# Altium PCB CRD25DA12N-FMC V1.2 (01-2024).PcbDoc (part 3 of 6) (continued)
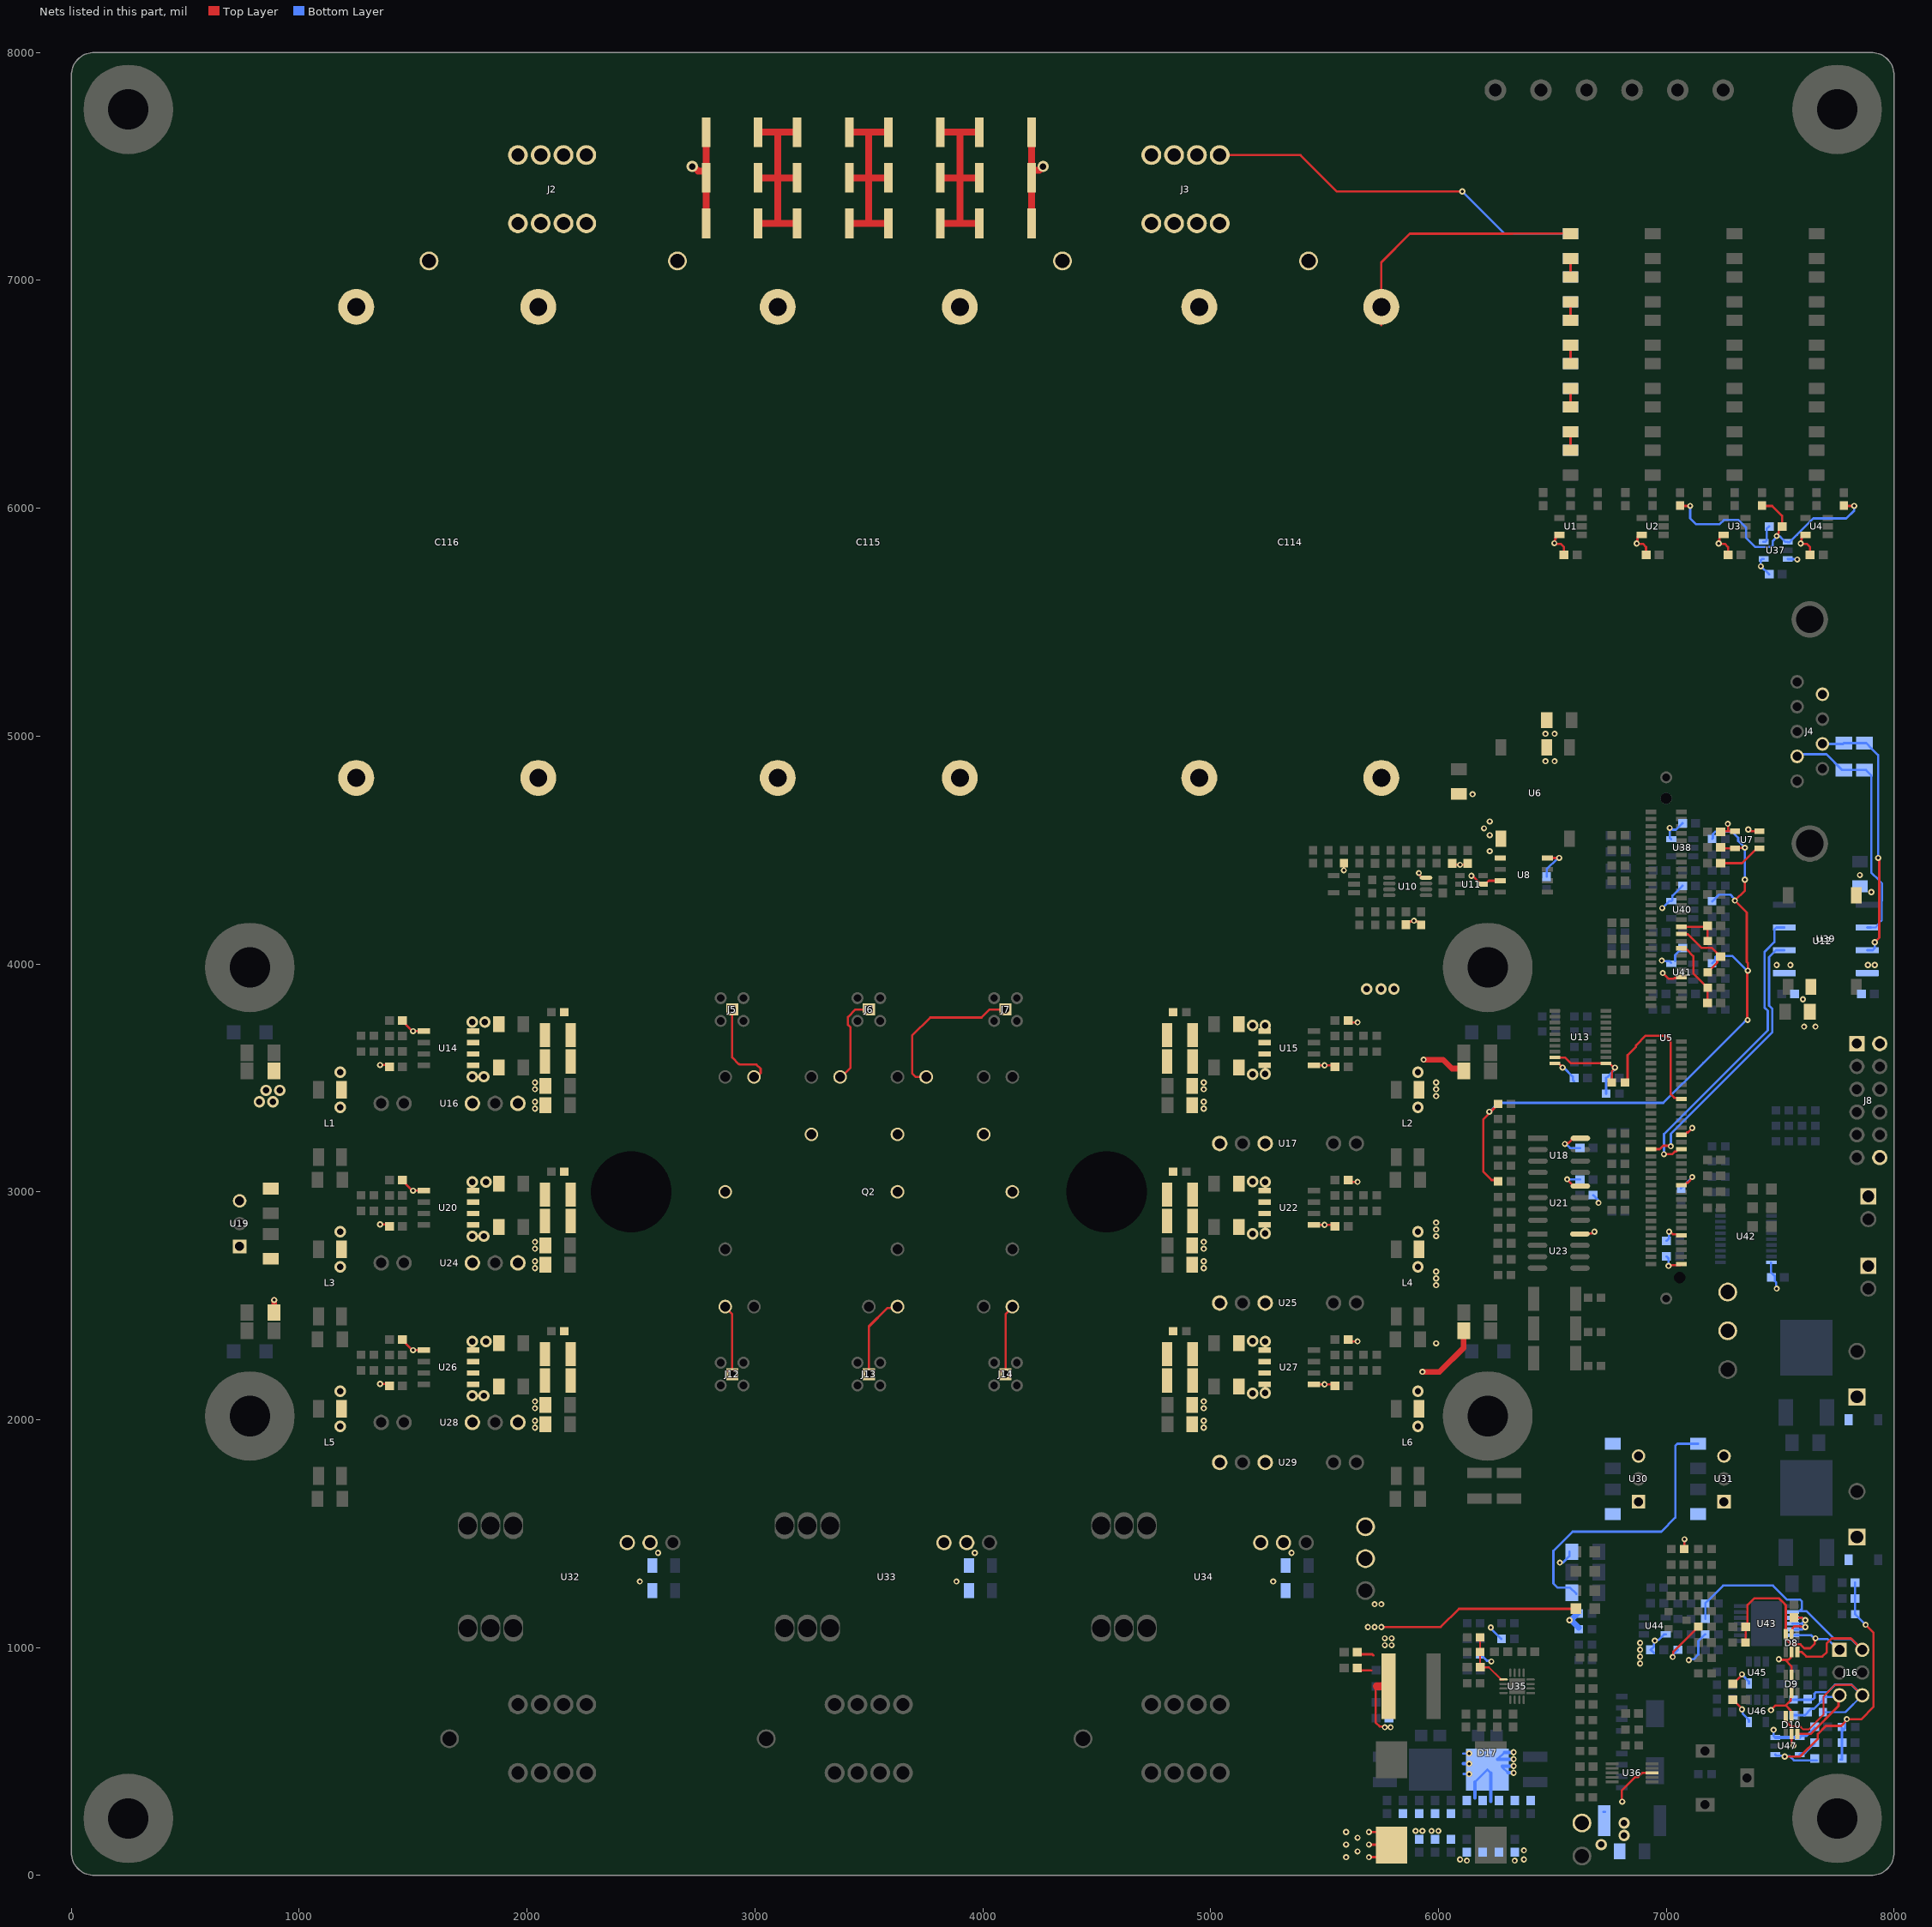
[diagram p7: the nets of this part, all layers, seen from the top]
## Part data (continued)
U13 U42: library part CMP-0440-01163-3, "IC BUF NON-INVERT 5.5V 20TSSOP", F @ Nom Voltage(Max)(Mhz)=110, Generic Part Number=SN74LV541AT, ICC @ Nom Voltage(Max)(mA)=0.02, Manufacturer="TEXAS INSTRUMENTS", Operating Temperature Range(C)="-40 to 125", Package=20-TSSOP, Rating=Catalog, tpd @ Nom Voltage(Max)(ns)=7.9, Voltage(Nom)(V)=5, Bits(#)=8, Code_JEDEC=MO-153, DatasheetVersion=SCES573B, Input Type=TTL, Manufacturer Part Number=SN74LV541ATPWR, Output Type=CMOS, PackageReference=PW0020A, PackageVersion=http://www.ti.com/lit/ml/mpds362/mpds362.pdf, VCC(Max)(V)=5.5, VCC(Min)(V)=4.5
U14 U15 U20 U22 U26 U27: "5A/5A, 3-KVRMS SINGLE-CHANNEL IS", Manufacturer="TEXAS INSTRUMENTS", Max Operating Temperature=125°C, Mfr_Name="Texas Instruments", Min Operating Temperature=-40°C, Package=8-SOIC, Supplier Part Number 1=296-47508-ND, Working Voltage=990V, Category="Integrated Circuits (ICs)", Class=U, ComponentLink1Description=http://www.ti.com/lit/ds/symlink/ucc5350sb.pdf?src-supplier=Farnell, ComponentLink1URL=http://www.ti.com/lit/ds/symlink/ucc5350sb.pdf?src-supplier=Farnell, ComponentLink2Description=http://www.ti.com/lit/ds/symlink/ucc5350.pdf?src-supplier=Digi-Key, ComponentLink2URL=http://www.ti.com/lit/ds/symlink/ucc5350.pdf?src-supplier=Digi-Key, Copyright="Copyright (C) 2021 Ultra Librarian. All rights reserved.", Digi-Key_Part_Number_1=296-47508-ND, Manufacturer Part Number=UCC5350SBD, Manufacturer Print="TEXAS INSTRUMENTS", Manufacturer_Part_Number=UCC5350SBD, Number of Channels=1, Pricing 1="1=3.15000, 10=2.83100, 25=2.67600, 100=2.31920, 250=2.20024, 500=1.97428, 1000=1.68300 (USD)", RefDes=RefDes, RoHS=Yes, RoHS Compliant=Yes, Stock 1=1, Supplier 1=Digi-Key, Type=DEV
U16 U17 U24 U25 U28 U29: "DC DC CONVERTER 15V -3V 1.7W", Manufacturer=MURATA, Package=7-SIP, Supplier Part Number 1=580-MGJ2D121503SC, Category="Board Mount Modules", Manufacturer Part Number=MGJ2D121503SC, Manufacturer Print=MURATA, Pricing 1="1=8.68000, 10=8.68000, 50=8.67000, 100=8.33000, 1000=8.00000, 10000=8.00000 (USD)", RoHS=Yes, Stock 1=14, Supplier 1=Mouser
U18 U21 U23: library part CMP-04896-000023-1, "IC COMPARATOR R-R HI-SPD 8-SOIC", Ambient Temperature Range High=+125°C, Ambient Temperature Range Low=-40°C, Input Bias Current=0.000002uA, Input Offset Voltage=1mV, Manufacturer="TEXAS INSTRUMENTS", Max Junction Temp=+150°C, Max Supply Voltage=5.5V, Min Supply Voltage=2.2V, Nominal Supply Current=3.2mA, Package=8-SOIC, Temperature="-40°C to +125°C", Automotive=No, Category=IC, ComponentLink2Description=Datasheet, ComponentLink2URL=http://www.ti.com/lit/ds/symlink/tlv3502.pdf, Device Class L1="Integrated Circuits (ICs)", Device Class L2="Linear ICs", Device Class L3=Comparators, Digikey Description="IC COMPARATOR R-R HI-SPD 8-SOIC", Height=1.75mm, Lead Free=Yes, Manufacturer Part Number=TLV3502AID, Manufacturer Print="TEXAS INSTRUMENTS", Mouser Description="TLV3502AID Texas Instruments, Dual Comparator, Push-Pull O/P, 3 V, 5 V 8-Pin SOIC", Number of Channels=2, Octopart=https://octopart.com/tlv3502aid-texas+instruments-428400, RoHS=TRUE, Standoff Height=0.11mm, Temperature Range High=+125°C, Temperature Range Low=-40°C
U19 U31: "DC DC CONVERTER 5V 5W", Case/Package=SIP, Current - Output 1=1A, Manufacturer=RECOM, Max Input Voltage=28V, Max Operating Temperature=85°C, Max Output Voltage=5V, Max Power Dissipation=5W, Min Input Voltage=8V, Min Operating Temperature=-40°C, Package=3-SIP, Package Quantity=42, Supplier Part Number 1=1446013, Category="Voltage Regulators - Switching", ComponentLink1Description=http://www.farnell.com/datasheets/2787646.pdf?src-supplier=Farnell, ComponentLink1URL=http://www.farnell.com/datasheets/2787646.pdf?src-supplier=Farnell, ComponentLink2Description=http://www.mouser.com/ds/2/468/R-78Exx-1.0-958279.pdf?src-supplier=Mouser, ComponentLink2URL=http://www.mouser.com/ds/2/468/R-78Exx-1.0-958279.pdf?src-supplier=Mouser, ComponentLink3Description=https://www.recom-power.com/pdf/Innoline/R-78Exx-1.0.pdf?src-supplier=Digi-Key, ComponentLink3URL=https://www.recom-power.com/pdf/Innoline/R-78Exx-1.0.pdf?src-supplier=Digi-Key, ComponentLink4Description=http://www.farnell.com/datasheets/1848475.pdf?src-supplier=Newark, ComponentLink4URL=http://www.farnell.com/datasheets/1848475.pdf?src-supplier=Newark, ComponentLink5Description=http://www.farnell.com/datasheets/2787646.pdf?src-supplier=Element14, ComponentLink5URL=http://www.farnell.com/datasheets/2787646.pdf?src-supplier=Element14, ComponentLink6Description=http://datasheet.octopart.com/R-78E5.0-1.0-Recom-Power-datasheet-68298118.pdf?src-supplier=Rs, ComponentLink6URL=http://datasheet.octopart.com/R-78E5.0-1.0-Recom-Power-datasheet-68298118.pdf?src-supplier=Rs, Efficiency=91%, Features=SCP, Height=10.4mm, Lead Free="Lead Free", Length=11.6mm, Manufacturer Part Number=R-78E5.0-1.0, Manufacturer Print=RECOM, Max Output Current=1A, Mount="Through Hole", Number Of Outputs=1, Output Power=5W, Packaging=Rail/Tube, RoHS=Yes, RoHS Compliant=Yes, Stock 1=661, Supplier 1=Rs, Voltage - Output 1=5V, Weight=2g, Width=8.5mm
U30: "DC DC CONVERTER 3.3V 3W", Case/Package=SIP, Manufacturer=RECOM, Max Input Voltage=28V, Max Operating Temperature=85°C, Max Output Current=1A, Max Output Power=3.3W, Max Output Voltage=3.3V, Max Power Dissipation=3W, Min Input Voltage=8V, Min Input Voltage (DC)=7V, Min Operating Temperature=-40°C, Package=3-SIP, Supplier Part Number 1=9176626, Category="Board Mount Modules", ComponentLink1Description=http://www.farnell.com/datasheets/2787646.pdf?src-supplier=Farnell, ComponentLink1URL=http://www.farnell.com/datasheets/2787646.pdf?src-supplier=Farnell, ComponentLink2Description=https://www.recom-power.com/pdf/Innoline/R-78Exx-1.0.pdf?src-supplier=Digi-Key, ComponentLink2URL=https://www.recom-power.com/pdf/Innoline/R-78Exx-1.0.pdf?src-supplier=Digi-Key, ComponentLink3Description=http://www.farnell.com/datasheets/1965125.pdf?src-supplier=Element14, ComponentLink3URL=http://www.farnell.com/datasheets/1965125.pdf?src-supplier=Element14, ComponentLink4Description=http://www.farnell.com/datasheets/2787646.pdf?src-supplier=Newark, ComponentLink4URL=http://www.farnell.com/datasheets/2787646.pdf?src-supplier=Newark, Efficiency=91%, Features=SCP, Height=10.4mm, Lead Free="Lead Free", Length=11.6mm, Manufacturer Part Number=R-78E3.3-1.0, Manufacturer Print=RECOM, Max Input Voltage (DC)=28V, Mount="Through Hole", Nominal Output Voltage=3.3V, Number Of Outputs=1, Packaging=Rail/Tube, Pricing 1="1=3.93700, 5=3.82200, 10=3.69700, 25=3.58300, 50=3.46900 (USD)", Reach SVHC Compliant=Yes, RoHS=Yes, RoHS Compliant=Yes, Series="INNOLINE R-78E", Stock 1=1, Supplier 1=Rs, Voltage - Output 1=3.3V, Weight=2g, Width=8.5mm
U32 U33 U34: "SENSOR CURRENT HALL 50A AC/DC", Case/Package=Module, Current Rating=50A, Frequency=200kHz, Manufacturer=LEM, Max Operating Temperature=85°C, Max Supply Current=35mA, Min Operating Temperature=-25°C, Operating Supply Voltage=15V, Package=N/A, Package Quantity=12, Secondary Current=25mA, Supplier Part Number 1=44W8442, Accuracy=0.25%, Category="Current Sensors", ComponentLink1Description=https://datasheet.ciiva.com/2812/lah2050-p20e-2812498.pdf?src-supplier=Digi-Key, ComponentLink1URL=https://datasheet.ciiva.com/2812/lah2050-p20e-2812498.pdf?src-supplier=Digi-Key, ComponentLink2Description=https://datasheet.ciiva.com/3327/lah50p-eng-tds-3327447.pdf?src-supplier=Distrelec, ComponentLink2URL=https://datasheet.ciiva.com/3327/lah50p-eng-tds-3327447.pdf?src-supplier=Distrelec, Current Sensing=50A, Height=21mm, Lead Free="Lead Free", Linearity=0.15%, Manufacturer Part Number="LAH 50-P", Manufacturer Print=LEM, Mount="Through Hole,PCB", Number of Channels=1, Overall Depth=14.93mm, Overall Height=21mm, Packaging=Bulk, Polarity=Bidirectional, Pricing 1="1=22.98000, 10=21.60000, 25=20.67000 (USD)", Reach SVHC Compliant=Yes, Response Time=0.5us, RoHS=Yes, RoHS Compliant=Yes, Series=LAH, Stock 1=776, Supplier 1=Newark, Width=33.3mm
U35: "IC REG MULT CONFG ADJ 6.5A 16QFN", Case/Package=16-WFQFN, Manufacturer="TEXAS INSTRUMENTS", Supplier Part Number 1=595-LM5157QRTERQ1, Category="Voltage Regulators - Switching", Manufacturer Part Number=LM5157QRTERQ1, Package=16-WFQFN, Pricing 1="1=4.45, 10=3.79, 50=3.79, 100=3.28, 250=3.11, 500=2.79, 1000=2.36, 3000=2.29, 10000=2.29 (USD)", RoHS=No, RoHS Compliant=Yes, Stock 1=10233, Supplier 1=Mouser
U36: "IC SURGE SUPPRESSION ADJ 10MSOP", Manufacturer="ANALOG DEVICES", Package=10-MSOP, Supplier Part Number 1=505-LTC4368IMS-2#PBF-ND, Category="Power Management ICs", ComponentLink1Description=http://www.linear.com/docs/57622?src-supplier=Digi-Key, ComponentLink1URL=http://www.linear.com/docs/57622?src-supplier=Digi-Key, Manufacturer Part Number=LTC4368IMS-2#PBF, Manufacturer Print="ANALOG DEVICES", Pricing 1="1=6.69000, 10=6.03900, 25=5.75840, 100=5.00000, 250=4.77528, 500=4.35396, 1000=3.97500 (USD)", RoHS=Yes, Supplier 1=Digi-Key
U39: "IC TXRX/ISO HALF 1/1 8SOP", Drivers Per Package=1, Manufacturer="TEXAS INSTRUMENTS", Package=8-SOP, Rating=Catalog, ComponentLink1Description=Datasheet, ComponentLink1URL=http://www.ti.com/general/docs/lit/getliterature.tsp?genericPartNumber=ISO1050&fileType=pdf, ComponentLink2Description="Package Specification", ComponentLink2URL=http://www.ti.com/litv/pdf/mpds247b, DatasheetVersion=SLLS983E, Eco-Plan="Green (RoHS & no Sb/Br)", Isolated=Yes, Manufacturer Part Number=ISO1050DUBR, Manufacturer Print="TEXAS INSTRUMENTS", Mounting Technology="Surface Mount", PackageDescription="8-Pin Small Outline Package 2.54 mm Pitch", PackageReference=DUB0008A, PackageVersion="revC, May-2006", PartNumber=ISO1050DUBR, SubFamily=CAN, Supplier 1="Arrow Electronics", Supplier Part Number 1=ISO1050DUBR
U43: library part CMP-04895-000282-1, "IC POWER 2 CIRCUIT 14HTSSOP", Manufacturer="TEXAS INSTRUMENTS", Package=14-PowerTSSOP, Manufacturer Part Number=ALM2402FQPWPRQ1

## Via types
v1: diameter 27, hole 13, Top Layer to Bottom Layer, tented both sides, 537 vias
v2: diameter 50, hole 28, Top Layer to Bottom Layer, tented both sides, 76 vias
v3: diameter 19.68, hole 7.87, Top Layer to Bottom Layer, tented top, 15 vias
v4: diameter 19.68, hole 7.87, Top Layer to Bottom Layer, tented both sides, 5 vias

## Nets (pads, with @x,y where several pads share a name; then routed paths per layer and width w, separated by ;. In a path a pad name is that pad's centre, name@x,y a point inside that pad or via, vN(x,y) a via of type N, cw(c..) or ccw(c..) an arc to the next point about the centre after c; other vN are vias at no path point)
+1.65V_I: C17.1 U7.1 | length 196.7
  Top Layer w10: C17.1@7238.58,4442 7332.71,4442 7398.31,4507.6 U7.1@7408.15,4507.6
+1.65V_R: C165.1 C169.1 C185.1 C187.1 C188.1 R222.1 R243.1 U47.1 | length 1476.3
  Top Layer w10: v1(7520,521.49) 7586.8,521.49 7665,599.69 7665,620.31 7700.64,655.94 7767.72,655.94 7775.01,663.23 7775.01,663.81 7792.41,681.2 v1(7792.41,685.8) 7793.21,685 7820.91,685 7855,685 7910,740 7910,1065 v1(7875,1100)
  Bottom Layer w10: U47.1@7478.7,530.2 7484.15,524.74 7516.75,524.74 v1(7520,521.49) 7521.6,523.09 7541.91,523.09 7560,505 C188.1@7660.37,505 ; C187.1@7765.47,508 7771.42,508 C187.1@7771.42,513 7771.42,577.05 7770.47,578 7771.42,578 C185.1@7771.42,583 7771.42,634 ; R243.1@7771.38,647 7771.42,646.96 7771.42,634 ; v1(7792.41,685.8) 7792.41,681.2 7785.24,674.03 7785.24,646.96 7772.28,634 7771.42,634 ; C165.1@7828.58,1285 C169.1@7828.58,1215 C169.1@7828.58,1215 R222.1@7828.62,1146 7829.53,1146 7875,1100.53 v1(7875,1100)
+1.65V_V: C5.1 R40.2 R42.2 R44.2 U37.1 | length 1288.1
  Top Layer w10: R40.2@7060,6011.38 7061.38,6010 v1(7105,6010) ; R42.2@7420,6011.38 7421.38,6010 7465,6010 7508.58,5966.42 C5.1@7508.58,5920 7507.63,5920 7493.76,5906.14 7493.76,5891.72 7484.64,5882.6 v1(7484.64,5878) ; R44.2@7780,6011.38 7781.38,6010 v1(7825,6010)
  Bottom Layer w10: v1(7105,6010) 7105,5955 7130,5930 7234.54,5930 7253.04,5948.5 7316.81,5948.5 7350.91,5914.39 7350.91,5869.09 7390.41,5829.59 7459.9,5829.59 7467.25,5836.94 7467.25,5856.01 7484.64,5873.4 v1(7484.64,5878) 7487.9,5874.75 7500.96,5874.75 7523.31,5852.4 U37.1@7533.15,5852.4 ; U37.1@7533.15,5851.2 7541.79,5851.2 7574.09,5883.5 7645.59,5955 7790,5955 7825,5990 v1(7825,6010)
+3.3V: C6.1 C7.1 C8.1 C9.1 C10.1 C27.1 C104.1 C106.1 C123.1 C131.1 C133.1 C137.1 C139.1 C147.1 C150.1 C153.1 C159.1 C174.1 J8.1 R127.2 R215.1 R228.2 TP5.1 U1.5 U2.5 U3.5 U4.5 U6.2 U8.8 U12.2 U18.8 U21.8 U23.8 U30.3 U38.5 U39.1 U40.5 U41.5 U44.5 U45.5 U46.5 | length 2122.7
  Top Layer w10: U8.8@6478.35,4465 v1@6525,4465 ; U1.5@6531.77,5882.6 6522.91,5882.6 6514.13,5873.82 6514.13,5864.96 6511.83,5862.66 6511.83,5849.68 v1(6508.58,5846.42) 6511.14,5843.86 6537.56,5843.86 6551.42,5830 C6.1@6551.42,5795 ; v1(6555,3210) 6558.25,3213.25 6570.07,3213.25 6591.81,3235 U18.8@6623.06,3235 ; v1(6565,3055) 6565,3053.41 6593.41,3025 U21.8@6623.06,3025 U21.8@6651.78,3025 ; U23.8@6621.11,2815 6655.85,2815 6658.32,2817.47 6672.87,2817.47 6680.4,2825 v1(6685,2825) ; U2.5@6891.77,5882.6 6882.91,5882.6 6874.13,5873.82 6874.13,5864.96 6873.25,5864.08 6873.25,5848.25 v1(6870,5845) 6871.14,5843.86 6897.56,5843.86 6911.42,5830 C7.1@6911.42,5795 ; R127.2@7078.62,1432 7080,1433.38 v1(7080,1475) ; U3.5@7251.77,5882.6 7242.91,5882.6 7234.13,5873.82 7234.13,5864.96 7233.25,5864.08 7233.25,5848.25 v1(7230,5845) 7231.14,5843.86 7257.56,5843.86 7271.42,5830 C8.1@7271.42,5795 ; C106.1@7291.42,771 7292.37,771 7332.36,731.01 v1(7332.36,728.64) ; C104.1@7291.42,840 7292.37,840 7332.36,879.99 v1(7332.36,882.36) ; U4.5@7611.77,5882.6 7602.91,5882.6 7594.13,5873.82 7594.13,5864.96 7593.25,5864.08 7593.25,5848.25 v1(7590,5845) 7591.14,5843.86 7617.56,5843.86 7631.42,5830 C9.1@7631.42,5795
  Bottom Layer w10: C131.1@6475,4383.58 6475,4415 6521.75,4461.75 6522.15,4461.75 6530,4469.6 v1@6530,4470 ; v1(6533.01,1372.78) 6533.48,1373.25 6547.07,1373.25 6575,1401.18 R215.1@6575,1420 ; v1(6555,3210) 6559.31,3210 6577.31,3192 C147.1@6621.42,3192 ; v1(6565,3055) 6620.42,3055 C150.1@6621.42,3054 ; C153.1@6678.58,2985 6679.53,2985 6699.46,2965.06 6699.46,2954.61 v1(6702.72,2951.35) v1@6699.46,2948.1 ; C174.1@6931.42,990 C174.1@6932.37,990 ; C174.1@6946.24,976.14 C174.1@6932.37,990 ; v1(6950,1030) 6950,1025.4 6946.24,1021.64 6946.24,1003.86 C174.1@6932.37,990 ; 6965.02,1033.25 6989.37,1057.6 U44.5@6998.23,1057.6 ; v1(6980.22,4014.95) 6983.47,4011.7 7014.48,4011.7 U41.5@7021.77,4004.4 ; v1(6982.51,4245) 7012.91,4275.4 U40.5@7021.77,4275.4 7027.47,4281.1 7027.47,4300 7070.47,4343 C133.1@7071.42,4343 ; U38.5@7021.77,4547.4 7015.1,4554.07 v1(7015.1,4596.7) 7019.7,4596.7 7027.41,4589 7042.47,4589 7070.47,4617 C123.1@7071.42,4617 ; U41.5@7039.41,4013.18 7039.41,4038.94 7070.47,4070 C137.1@7071.42,4070 ; v1(7099.02,944.96) 7102.27,948.21 7119.21,948.21 7140.61,969.62 7140.61,1028.14 7170.47,1058 R228.2@7171.38,1058 ; v1(7332.36,728.64) 7335.62,725.38 7335.62,709.38 7362.6,682.4 U46.5@7362.6,673.54 ; v1(7332.36,882.36) 7332.36,880.87 7362.6,850.63 U45.5@7362.6,841.77
  other v1: 7605,3725 7655,3725 7600,3845 7485,3995 7545,3995 6530,4465 6470,4890 6510,4890 6470,5010 6510,5010
+3.3V_I: C13.1 R82.2 R91.2 R183.2 R187.2 R193.2 U7.5 | length 3236.5
  Top Layer w10: v1(6223.67,3350.99) 6225.46,3350.99 6270.24,3395.77 6275.24,3395.77 6227.88,3348.41 6196.5,3317.03 6196.5,3088.5 6233.38,3051.62 6255.71,3051.62 R91.2@6261.38,3045.96 ; C13.1@7238.58,4511 7241.98,4507.6 U7.5@7301.85,4507.6 7303.05,4508.8 7343.8,4508.8 v1(7345,4510) ; v1(7345,4370) 7345,4322.29 v1(7300.98,4278.27) 7353.5,4225.75 7353.5,4008.5 7357.89,4004.11 v1(7357.89,3970) ; v1@7355,3970 7355,3756.03 v1(7357.21,3753.81)
  Bottom Layer w10: v1(6223.67,3350.99) 6262.68,3390 6986.9,3390 7162.57,3565.67 7345.25,3748.35 7347.15,3748.35 7352.61,3753.81 v1(7357.21,3753.81) ; R193.2@7201.38,4003 7202.04,4003 7215,4015.96 7215,4029.14 7220.86,4035 7290,4035 7355,3970 v1(7357.89,3970) ; R187.2@7201.38,4275 7202.28,4275 7231.24,4303.96 7282.04,4303.96 7289.11,4296.88 7289.11,4294.74 7300.98,4282.87 v1(7300.98,4278.27) ; R183.2@7201.38,4548 7205,4551.62 7205,4570 7215,4580 7289.69,4580 7315.72,4553.97 7315.72,4539.28 v1(7345,4510) v1(7345,4370)
+3.3V_R: C186.1 U47.5 | length 86.2
  Bottom Layer w10: U47.5@7585,530.2 7591.81,537.01 7609.48,537.01 7650.47,578 C186.1@7651.42,578
+3.3V_V: C121.1 U37.5 | length 82
  Bottom Layer w10: U37.5@7426.85,5852.4 7434.01,5852.4 7440.82,5859.21 7440.82,5909.4 C121.1@7451.42,5920
+5V: C12.1 C29.1 C39.1 C51.1 C65.1 C76.1 C86.1 C122.1 C144.1 C151.1 C155.1 C156.1 C157.1 C158.1 C184.1 J8.2 R219.1 TP6.1 U5.48 U5.84 U5.98 U5.112 U5.120 U7.3 U7.4 U13.20 U15.1 U22.1 U27.1 U31.3 U37.3 U37.4 U42.20 U47.3 U47.4 | length 2969.6
  Top Layer w10: U27.1@5453.27,2155 5544.42,2155 C86.1@5551.42,2148 ; U22.1@5453.27,2855 5544.42,2855 C65.1@5551.42,2848 ; U15.1@5453.27,3555 5544.42,3555 C39.1@5551.42,3548 ; C76.1@5608.58,2352 5617.08,2343.5 v1(5645,2343.5) ; C51.1@5608.58,3052 5617.08,3043.5 v1(5645,3043.5) ; C29.1@5608.58,3752 5617.08,3743.5 v1(5645,3743.5) ; U13.20@6510.59,3563.82 6526.34,3563.82 6536.9,3553.25 6546.75,3553.25 v1@6550,3550 ; v1(6984.55,3959.95) 6985.18,3959.95 7009.51,3935.62 7033.12,3935.62 7035.37,3937.87 7062.09,3937.87 U5.48@7066.93,3942.72 ; v1(7010,2675) 7013.03,2678.03 7062.09,2678.03 U5.120@7066.93,2682.87 ; v1(7012.3,2825) 7016.9,2825 7028.31,2813.59 7062.19,2813.59 U5.112@7066.93,2808.86 ; U5.98@7066.93,3029.33 7080.71,3029.33 7091.36,3039.98 7095.11,3039.98 7103.03,3047.91 7103.03,3049.17 7114.05,3060.19 v1(7114.05,3064.79) ; U5.84@7066.93,3249.8 7080.71,3249.8 7091.36,3260.46 7095.11,3260.46 7114.05,3279.4 v1(7114.05,3280) ; C12.1@7238.58,4580 7240.98,4582.4 7271.41,4582.4 ; v1(7270,4615) 7271.41,4613.59 7271.41,4582.4 ; U7.4@7301.85,4582.4 7271.41,4582.4 ; v1(7360,4590) 7364.6,4590 7372.2,4582.4 U7.3@7408.15,4582.4
  Bottom Layer w10: v1(6545,3545) 6548.25,3541.75 6553.73,3541.75 6590,3505.47 6590,3490 C144.1@6595,3485 ; R219.1@6605.54,1235 6577.04,1263.5 6521.93,1263.5 6504.51,1280.93 6504.51,1424.51 6588.5,1508.5 6978.5,1508.5 7040,1570 7040,1885 7049.19,1894.19 C158.1@7140,1894.19 ; C156.1@7001.42,2716 7010,2707.42 v1(7010,2675) ; C155.1@7001.42,2785 7012.3,2795.88 v1(7012.3,2825) ; C151.1@7065,3015 7065,3015.95 7113.84,3064.79 v1(7114.05,3064.79) ; U37.4@7426.85,5777.6 7421.81,5777.6 7415,5770.79 v1(7415,5745) 7415.47,5745 7450.47,5710 C122.1@7451.42,5710 ; U42.20@7459.41,2688.82 7459.41,2647.05 7476.24,2630.22 7476.24,2608.36 7481.75,2602.85 7481.75,2578.25 v1(7485,2575) ; v1(7471.28,638.72) 7471.28,611.81 7478.09,605 U47.3@7478.7,605 ; U37.3@7533.15,5777.6 7534.45,5776.3 7573.7,5776.3 v1(7575,5775) ; U47.4@7588.19,605 U47.4@7585,605 7591.81,611.81 7615.28,611.81 7650.47,647 C184.1@7651.42,647
  Bottom Layer w15: U47.3@7478.7,605 U47.4@7585,605
  other v1: 5500,2155 5990,2335 5990,2590 5990,2620 5990,2650 5990,2805 5990,2835 5500,2855 5990,2865 5990,3420 5990,3450 5990,3480 5500,3555
+5V_ALT: C28.1 C38.1 C50.1 C54.1 C64.1 C75.1 C85.1 U14.1 U19.3 U20.1 U26.1 | length 475.4
  Top Layer w10: v1(1355,2156.5) 1382.92,2156.5 C85.1@1391.42,2148 ; v1(1355,2856.5) 1382.92,2856.5 C64.1@1391.42,2848 ; v1(1355,3556.5) 1382.92,3556.5 C38.1@1391.42,3548 ; C75.1@1448.58,2352 1449.53,2352 1495,2306.53 1495,2305 U26.1@1546.73,2305 ; C50.1@1448.58,3052 1449.53,3052 1495,3006.53 1495,3005 U20.1@1546.73,3005 ; C28.1@1448.58,3752 1449.53,3752 1495,3706.53 1495,3705 U14.1@1546.73,3705
  other v1: 1500,2305 1500,3005 1500,3705
+5V_ISO: C126.1 C138.1 J4.9 U12.5 U39.8
  other v1: 7885,3995 7915,3995 7900,4315 7850,4390
+5V_NTC: C11.1 C15.1 C16.1 C20.1 R48.2 R62.2 U6.5 U8.1 U8.3 U10.8 U11.5 | length 357.5
  Top Layer w10: v1(5585,4410.71) 5585,4435.38 R48.2@5586,4436.38 ; C20.1@5858,4171.42 5858,4172.37 5871.86,4186.24 5884.29,4186.24 5888.01,4189.96 v1(5892.61,4189.96) 5897.21,4189.96 5901.93,4185.24 5912.04,4185.24 5925,4172.28 R62.2@5925,4171.38 ; v1(5914.2,4399.02) 5917.45,4395.76 5917.45,4390.03 5929.1,4378.39 U10.8@5945.71,4378.39 ; C15.1@6060,4436.42 6061.42,4435 v1(6095,4435) 6126.58,4435 C16.1@6128,4436.42 ; v1(6145,4387) 6149.34,4387 6186.34,4350 U11.5@6190,4350 ; U11.5@6196.18,4350 6206.02,4350 6221.02,4365 U8.3@6265,4365
  other v1: 6225,4495 6225,4565 6200,4595 6225,4625 6150,4745
+12V: C66.1 C99.1 C102.1 C160.1 C161.1 C176.1 C179.1 C182.1 C183.1 C207.1 D15.1 D16.1 J8.12 J9.1 J10.1 J11.1 J15.1 L1.1 L2.1 L3.1 L4.1 L5.1 L6.1 L7.1 R79.1 R80.1 R107.1 R111.1 R225.2 R247.2 TP14.1 U19.1 U30.1 U31.1 U36.8 | length 1233.7
  Top Layer w10: C102.1@5643.58,900 5705,900 ; C99.1@5643.58,970 5710,970 5715,965 ; 5730.86,830 5725,824.14 5725,670 5741.75,653.25 5758.25,653.25 v1@5760,655 ; v1(6806.5,323.5) 6805,325 6805,373.06 6863.39,431.45 6876.45,431.45 6894.84,449.84 U36.8@6935.16,449.84
  Top Layer w25: R107.1@889.1,2470 885.21,2473.9 890,2478.69 v1(890,2525) ; v1(5930,2210) 6005,2210 6110.9,2315.9 R111.1@6110.9,2390 ; v1(5935,3580) 6020,3580 6059.38,3540.62 6100.28,3540.62 R80.1@6110.9,3530
  Top Layer w35: 5730.86,830 L7.1@5781.57,830
  Bottom Layer w10: v1(6230,1088) 6230,1083.47 6275.47,1038 R225.2@6276.38,1038 ; R247.2@6724.07,278.08 R247.2@6731.14,278.08
  other v1: 5765,650 5790,650 5765,1010 5795,1010 5765,1040 5795,1040
  other v2: 6715,135 6815,175 6815,230 1180,1970 5910,1970 1180,2125 5910,2125 1180,2670 5910,2670 1180,2825 5910,2825 1180,3370 5910,3370 825,3395 885,3395 855,3445 915,3445 1180,3525 5910,3525 5685,3890 5748.12,3890 5805,3890
+15V: C96.1 C162.1 C163.1 C164.1 C189.2 C190.1 C191.1 C192.1 C193.1 C199.1 C200.1 C201.1 C202.1 D8.2 D8.5 D9.2 D9.5 D10.2 D10.5 D17.1 R133.2 R223.2 R227.2 R232.2 R233.2 TP8.1 U32.8 U33.8 U34.8 U43.10 U43.11 U43.12 | length 1792.9
  Top Layer w10: v1(7028.2,958.5) 7031.16,961.46 7031.16,981.69 7140.47,1091 R133.2@7141.38,1091 ; v1(7459.43,725.36) 7479.79,745.72 7525.11,745.72 ; v1(7494.07,948.46) 7496.54,945.99 7520,945.99 ; D10.2@7550,620.63 7550,582.22 7558,574.22 v1(7558,569.62) ; D10.5@7550,699.37 7546.14,703.23 7546.14,724.69 7525.11,745.72 ; D9.2@7550,800.63 7546.14,796.77 7546.14,766.75 7525.11,745.72 ; D9.5@7550,879.37 7549.98,917.01 7520,946.99 7537.82,946.99 7546.14,955.31 7546.14,976.77 D8.2@7550,980.63 ; D8.5@7550,1059.37 7553.86,1063.23 7553.86,1084.69 7562.18,1093.01 7589.01,1093.01 7590.51,1091.5 7608.5,1091.5 v1(7610,1090) ; C96.1@7560,1131.42 7593.98,1131.42 7605.4,1120 v1(7610,1120)
  Bottom Layer w10: 6108.5,535 v1(6135,535) ; 6110,445 v1(6135,445) ; D17.1@6160,409.06 D17.1@6215,464.06 D17.1@6230,449.06 ; R233.2@6183.62,970 6184.53,970 6212.64,941.89 6228.7,941.89 v1(6231.95,938.64) ; D17.1@6260,510 6259.69,510.31 D17.1@6289.37,540 ; D17.1@6280.47,480 6280.47,474.02 D17.1@6304.49,450 ; v1@6583.73,1123.25 6578.25,1123.25 v1(6575,1120) 6578.25,1116.75 v1@6585.73,1116.75 ; R227.2@6615.47,1087 R227.2@6616.38,1087 ; R223.2@6615.47,1155 R223.2@6616.38,1155 ; v1(7028.2,958.5) 7031.16,961.46 7031.16,970.69 7050.47,990 R232.2@7051.38,990 ; U43.12@7554.17,1079.41 7597.69,1079.41 7608.28,1090 v1(7610,1090) 7595,1105 ; U43.11@7554.17,1105 7595,1105 ; U43.10@7555.91,1128.86 U43.10@7554.17,1130.59 7596.29,1130.59 7606.88,1120 v1(7610,1120) 7595,1105
  Bottom Layer w15: 6110,490 v1(6135,490) ; 6160,340 D17.1@6160,409.06 ; 6230,325 D17.1@6230,449.06 ; D17.1@6260,510 v1(6330,510) ; D17.1@6280.47,480 v1(6330,480) ; D17.1@6289.37,540 v1(6330,540) ; D17.1@6304.49,450 v1(6330,450)
  Bottom Layer w25: v1@6583.73,1123.25 R223.2@6615.47,1155 ; v1@6585.73,1116.75 R227.2@6615.47,1087
  other v1: 6125,65 6335,65 6095,70 6375,70 6375,110 6885,930 6885,960 6885,990 6885,1020 2575,1415 3965,1415 5355,1415
+15V_U_HS: C62.1 C71.1 U20.5 U24.7
  other v1: 2035,2665 2035,2695
  other v2: 1760,2805 1810,2805
+15V_U_LS: C83.1 C89.1 U26.5 U28.7
  other v1: 2035,1965 2035,1995
  other v2: 1760,2105 1810,2105
+15V_V_HS: C36.1 C42.1 U14.5 U16.7
  other v1: 2035,3365 2035,3395
  other v2: 1760,3505 1810,3505
+15V_V_LS: C78.1 C90.1 U27.5 U29.7
  other v1: 4970,1965 4970,1995
  other v2: 5240,2342.8 5185,2345
+15V_W_HS: C31.1 C43.1 U15.5 U17.7
  other v1: 4970,3365 4970,3395
  other v2: 5185,3730 5240,3730
+15V_W_LS: C53.1 C72.1 U22.5 U25.7
  other v1: 4970,2665 4970,2695
  other v2: 5240,3042.8 5185,3045
-3V_U_HS: C52.2 C67.2 U20.8 U24.5
  other v1: 2035,2750 2035,2780
  other v2: 1760,3042.8 1820,3042.8
-3V_U_LS: C77.2 C87.2 U26.8 U28.5
  other v1: 2035,2050 2035,2080
  other v2: 1760,2342.8 1820,2342.8
-3V_V_HS: C30.2 C40.2 U14.8 U16.5
  other v1: 2035,3450 2035,3480
  other v2: 1760,3745 1815,3745
-3V_V_LS: C84.2 C88.2 U27.8 U29.5
  other v1: 4970,2050 4970,2080
  other v2: 5185,2115 5240,2117.2
-3V_W_HS: C37.2 C41.2 U15.8 U17.5
  other v1: 4970,3450 4970,3480
  other v2: 5185,3515 5240,3517.2
-3V_W_LS: C63.2 C68.2 U22.8 U25.5
  other v1: 4970,2750 4970,2780
  other v2: 5185,2815 5240,2817.2
-15V: C166.2 C167.2 C168.2 C194.1 C195.1 C196.1 C197.1 C203.1 C204.1 C205.1 C206.1 D7.1 L8.2 TP9.1 U32.7 U33.7 U34.7 | length 1226.3
  Top Layer w10: v1(5695,80) 5737.99,80 L8.2@5792.99,135 ; v1(5695,135) L8.2@5792.99,135 ; v1(5695,190) 5737.99,190 L8.2@5792.99,135 ; v1(5750,1090) 6010,1090 6090,1170 D7.1@6603.66,1170
  other v1: 5595,80 5645,105 5595,135 5645,165 5595,190 5900,195 5930,195 5970,195 6000,195 5690,1090 5720,1090 5720,1190 5750,1190 2495,1290 3885,1290 5275,1290
A14: C24.1 R65.2 U5.36 | length 304.8
  Top Layer w10: U5.36@7066.93,4131.69 7068.62,4130 7095,4130 7153.96,4071.04 7198.58,4071.04 C24.1@7237.63,4032 ; R65.2@7181.38,3964 7182.28,3964 7223.76,4005.48 7223.76,4018.14 C24.1@7237.63,4032 ; C24.1@7238.58,4032 C24.1@7237.63,4032
BLEED1: R1.1 R2.2 R5.1 R6.2 R9.1 R10.2 | length 914.5
  Top Layer w30: R9.1@3014.25,7250 3100,7250 ; R5.1@3014.25,7450 3100,7450 ; R1.1@3014.25,7650 3100,7650 ; R10.2@3185.75,7250 3100,7250 ; R6.2@3185.75,7450 3100,7450 ; R2.2@3185.75,7650 3100,7650 ; 3100,7250 3100,7450 ; 3100,7450 3100,7650
BLEED2: R2.1 R3.2 R6.1 R7.2 R10.1 R11.2 | length 914.5
  Top Layer w30: R10.1@3414.25,7250 3500,7250 ; R6.1@3414.25,7450 3500,7450 ; R2.1@3414.25,7650 3500,7650 ; R11.2@3585.75,7250 3500,7250 ; R7.2@3585.75,7450 3500,7450 ; R3.2@3585.75,7650 3500,7650 ; 3500,7250 3500,7450 ; 3500,7450 3500,7650
BLEED3: R3.1 R4.2 R7.1 R8.2 R11.1 R12.2 | length 914.5
  Top Layer w30: R11.1@3814.25,7250 3900,7250 ; R7.1@3814.25,7450 3900,7450 ; R3.1@3814.25,7650 3900,7650 ; R12.2@3985.75,7250 3900,7250 ; R8.2@3985.75,7450 3900,7450 ; R4.2@3985.75,7650 3900,7650 ; 3900,7250 3900,7450 ; 3900,7450 3900,7650
C14: C26.1 R66.2 U5.40 | length 298.9
  Top Layer w10: U5.40@7066.93,4068.7 7071.77,4063.86 7089.3,4063.86 7118.68,4034.47 7118.68,3957.79 7180.47,3896 R66.2@7181.38,3896 R66.2@7181.38,3896 C26.1@7181.42,3828
CAN_H: J4.7 R181.2 R182.2 U39.7 | length 1162.3
  Top Layer w10: v1(7915,4095) 7935,4115 7935,4455.4 7930,4460.4 v1(7930,4465)
  Bottom Layer w10: J4.7@7685.91,4965.47 7776.37,4965.47 R182.2@7780,4969.1 R181.2@7870,4969.1 7877.92,4969.1 7901.58,4945.45 7930,4917.03 v1(7930,4465) ; U39.7@7882.09,4060 7906.22,4060 7915,4068.78 v1(7915,4095)
CAN_L: J4.2 R181.1 R182.1 U39.6 | length 1102.6
  Bottom Layer w8: U39.6@7898.5,4160 7918.5,4160 7928.28,4169.78 7928.28,4173.28 7943.57,4188.57 7945.89,4190.89 7945.91,4194.17 7947.05,4354.32 7935,4366.38
  Bottom Layer w10: J4.2@7574.09,4910.94 7583.15,4920 7702.97,4920 7772.08,4850.9 R182.1@7780,4850.9 R181.1@7870,4850.9 7876.34,4850.9 7900,4827.24 7900,4401.38 7935,4366.38 ; U39.6@7882.09,4160 U39.6@7898.5,4160
CAN_RX: U5.87 U39.2 | length 1193.4
  Top Layer w10: U5.87@6933.07,3186.81 6971.51,3186.81 6986.54,3201.85 7018.15,3201.85 v1(7020.04,3199.96)
  Bottom Layer w10: v1(7020.04,3199.96) 7020.04,3255.04 7465.71,3700.71 7465.71,3802.42 7451.5,3816.64 7451.5,4030 7481.5,4060 U39.2@7517.91,4060
CAN_TX: U5.88 U39.3 | length 1331.6
  Top Layer w10: v1(6990,3165) 7025.39,3165 7036.54,3176.16 7042.5,3176.16 7053.15,3186.81 U5.88@7066.93,3186.81
  Bottom Layer w10: v1(6990,3165) 6990,3253.28 7445.71,3709 7445.71,3794.14 7431.5,3808.35 7431.5,4051.99 7474.65,4095.14 7474.65,4151.22 7483.43,4160 U39.3@7517.91,4160
COS: C22.1 R63.2 U5.34 | length 177.7
  Top Layer w10: U5.34@7066.93,4163.19 C22.1@7176.61,4163.19 ; R63.2@7181.38,4100 C22.1@7181.42,4168 C22.1@7181.42,4168
COS_N: C180.2 D10.6 J16.6 R239.1 R240.1 | length 1079.9
  Top Layer w8: 7528.27,673.3 7547.3,654.27 7587.84,654.27 7601.48,640.63 7625,640.63 7690,705.63 7690,785 7740.5,835.5 7814.5,835.5 J16.6@7860,790
  Top Layer w10: D10.6@7524.41,699.37 7524.41,685.59 7528.27,681.73 7528.27,673.3
  Bottom Layer w8: R239.1@7688,716.38 7786.38,716.38 J16.6@7860,790
  Bottom Layer w10: R240.1@7558.62,771 7636.02,771 7638.59,773.58 7644.89,773.58 7650.75,779.43 7650.75,797.62 7656.61,803.48 7707.73,803.48 7740.74,836.5 7813.5,836.5 J16.6@7860,790
COS_P: C180.1 D10.3 J16.5 R239.2 R242.1 | length 520.5
  Top Layer w10: D10.3@7575.59,620.63 7633.11,620.63 7755.98,743.5 7755.98,785.98 J16.5@7760,790
  Bottom Layer w10: R242.1@7558.62,703 7608.58,703 7622,716.42 7622,717.37 7635.86,731.24 7648.52,731.24 7690,772.72 R239.2@7690,773.62 ; R239.2@7688,773.62 7688,774.53 7696.96,783.48 7753.48,783.48 J16.5@7760,790
DC+: C114.1 C114.2 C115.1 C115.2 C116.1 C116.2 J2.1 J2.2 J2.3 J2.4 J2.5 J2.6 J2.7 J2.8 Q2.DC+_1 Q2.DC+_2 Q2.DC+_3 R1.2 R5.2 R9.2 R13.1 TP1.1 TP2.1 | length 1654.8
  Top Layer w10: 5749.61,6803.46 5749.61,7079.61 5875,7205 6325,7205 6325.12,7205.12 R13.1@6580,7205.12
  Top Layer w30: v2(2725,7500) 2730.41,7500 2751.32,7479.09 2781.89,7479.09 2785.75,7475.23 R5.2@2785.75,7450 ; R9.2@2785.75,7250 R5.2@2785.75,7450 ; R1.2@2785.75,7650 R5.2@2785.75,7450
DC+1: R13.2 R17.1 | length 79.8
  Top Layer w10: R17.1@6580,7015.12 R13.2@6580,7094.88
DC+2: R17.2 R21.1 | length 79.8
  Top Layer w10: R21.1@6580,6825.12 R17.2@6580,6904.88
DC+3: R21.2 R25.1 | length 79.8
  Top Layer w10: R25.1@6580,6635.12 R21.2@6580,6714.88
DC+4: R25.2 R29.1 | length 79.8
  Top Layer w10: R29.1@6580,6445.12 R25.2@6580,6524.88
DC+5: R29.2 R33.1 | length 79.8
  Top Layer w10: R33.1@6580,6255.12 R29.2@6580,6334.88
DC-: C114.3 C114.4 C115.3 C115.4 C116.3 C116.4 J3.1 J3.2 J3.3 J3.4 J3.5 J3.6 J3.7 J3.8 Q2.DC-1 Q2.DC-2 Q2.DC-3 R4.1 R8.1 R12.1 R152.1 TP3.1 TP4.1 | length 2171.4
  Top Layer w10: J3.4@5040,7550 5395,7550 5555,7390 v1(6105,7390)
  Top Layer w30: R12.1@4214.25,7250 R8.1@4214.25,7450 ; R4.1@4214.25,7650 R8.1@4214.25,7450 ; v2(4265,7500) 4248.11,7483.11 4218.11,7483.11 4214.25,7479.25 R8.1@4214.25,7450
  Bottom Layer w10: v1(6105,7390) 6289.88,7205.12 R152.1@6580,7205.12
DC-1: R152.2 R156.1 | length 79.8
  Bottom Layer w10: R156.1@6580,7015.12 R152.2@6580,7094.88
DC-2: R156.2 R160.1 | length 79.8
  Bottom Layer w10: R160.1@6580,6825.12 R156.2@6580,6904.88
DC-3: R160.2 R164.1 | length 79.8
  Bottom Layer w10: R164.1@6580,6635.12 R160.2@6580,6714.88
DC-4: R164.2 R168.1 | length 79.8
  Bottom Layer w10: R168.1@6580,6445.12 R164.2@6580,6524.88
DC-5: R168.2 R172.1 | length 79.8
  Bottom Layer w10: R172.1@6580,6255.12 R168.2@6580,6334.88
EXC_N: C171.2 D8.3 J16.2 R220.2 U43.9 | length 1314.3
  Top Layer w10: D8.3@7575.59,980.63 7579.4,980.63 7594.36,980.63 7614.99,960 7685.31,960 7704.55,979.24 7704.55,1018.75 7725.79,1040 7810,1040 J16.2@7860,990
  Bottom Layer w10: C171.2@7171.42,1126 R220.2@7171.38,1194 R220.2@7171.38,1194 7184.33,1206.96 7185.24,1206.96 7250.13,1271.84 7468.16,1271.84 7530,1210 7587.99,1210 7594.7,1203.29 7594.7,1169.5 7585.24,1160.04 7614.96,1160.04 7738.5,1036.5 7813.5,1036.5 J16.2@7860,990
EXC_P: C97.2 D8.6 J16.1 R135.2 U43.13 | length 932.7
  Top Layer w10: R135.2@7348.62,1022 C97.2@7348.58,1091 C97.2@7348.58,1091 7356.42,1098.84 7356.42,1186.47 7386.4,1216.46 7493.6,1216.46 7520,1190.05 7520,1190 7524.41,1185.59 7524.41,1060 7528.27,1056.14 7528.27,1034.05 7548.05,1014.27 7589.01,1014.27 7606.45,996.82 7631.81,996.82 7651.75,1016.76 7651.75,1036.75 v1(7655,1040) v1@7656.81,1038.19 ; J16.1@7751.5,998.5 J16.1@7760,990
  Bottom Layer w10: U43.13@7554.17,1053.82 7636.58,1053.82 7650.4,1040 v1(7655,1040) 7658.25,1036.75 7708.25,1036.75 7728.5,1016.5 7733.5,1016.5 J16.1@7760,990
FB_15V: C103.2 R134.2 R136.1 U35.9 | length 258.8
  Top Layer w8: R136.1@6182.24,980 6182.24,1043.62 R134.2@6183.62,1045 ; R136.1@6183.62,980 C103.2@6183.58,913 6222,913 6271.52,863.48 6271.52,860.18 6272.18,859.53 U35.9@6285.77,859.53
G1: J5.1 Q2.G1 R88.2 R92.2 R101.2 | length 412.6
  Top Layer w10: J5.1@2900.39,3800 2900.39,3589.61 2930,3560 2931.48,3560 2932.86,3558.62 3006.38,3558.62 3025,3540 3025,3520 3008.94,3503.94 Q2.G1@2996.06,3503.94 Q2.G1@2995,3505
G1H: R101.1 U20.6
G1L: R92.1 U20.7
G2: J12.1 Q2.G2 R112.2 R115.2 R123.2 | length 308.6
  Top Layer w10: Q2.G2@2870.08,2496.06 2870.08,2493.05 2900.39,2462.74 J12.1@2900.39,2200
G2H: R123.1 U26.6
G2L: R115.1 U26.7
G3: J6.1 Q2.G3 R67.2 R69.2 R77.2 | length 395.2
  Top Layer w10: Q2.G3@3374.02,3503.94 3378.94,3503.94 3420,3545 3420,3721.48 3408.62,3732.86 3408.62,3767.14 3441.48,3800 J6.1@3500.39,3800
G3H: R77.1 U14.6
G3L: R69.1 U14.7
G4: J13.1 Q2.G4 R113.2 R116.2 R124.2 | length 370.6
  Top Layer w10: J13.1@3500.39,2200 3500.39,2408.91 3580.98,2489.5 3619.42,2489.5 Q2.G4@3625.98,2496.06
G4H: R116.1 U27.6
G4L: R124.1 U27.7
G5: J7.1 Q2.G5 R68.2 R70.2 R78.2 | length 691.7
  Top Layer w10: Q2.G5@3751.97,3503.94 3706.06,3503.94 3690,3520 3690,3685 3770,3765 3995,3765 4030,3800 J7.1@4100.39,3800
G5H: R70.1 U15.6
G5L: R78.1 U15.7
G6: J14.1 Q2.G6 R89.2 R93.2 R102.2 | length 308.3
  Top Layer w10: J14.1@4100.39,2200 4100.39,2461.95 4129.92,2491.48 Q2.G6@4129.92,2496.06
G6H: R93.1 U22.6
G6L: R102.1 U22.7
GD_DIS: R81.1 U5.74 | length 651.2
  Top Layer w10: R81.1@6818.62,3480 6830,3491.38 6830,3600 6867.45,3637.45 6867.45,3642.65 6909.8,3685 6988.42,3685 6989.92,3683.5 6996.81,3683.5 7020,3660.31 7020,3427.61 7035.48,3412.13 7062.09,3412.13 U5.74@7066.93,3407.28
GD_DIS_FILT: C143.1 R81.2 R203.2 U13.1 U13.19 | length 479.6
  Top Layer w10: U13.19@6510.59,3589.41 6555.59,3589.41 6581.18,3563.82 6750.75,3563.82 v1@6766.31,3548.25 ; R81.2@6761.38,3480 6761.38,3526.78 6775,3540.4 v1(6775,3545)
  Bottom Layer w10: R203.2@6736.38,3430 C143.1@6736.42,3500 C143.1@6736.42,3500 6737.37,3500 6771.75,3534.37 6771.75,3541.75 v1(6775,3545) v1@6775,3540.4